# Altium PCB Pleiades_PP.PcbDoc (part 9 of 15) (continued)
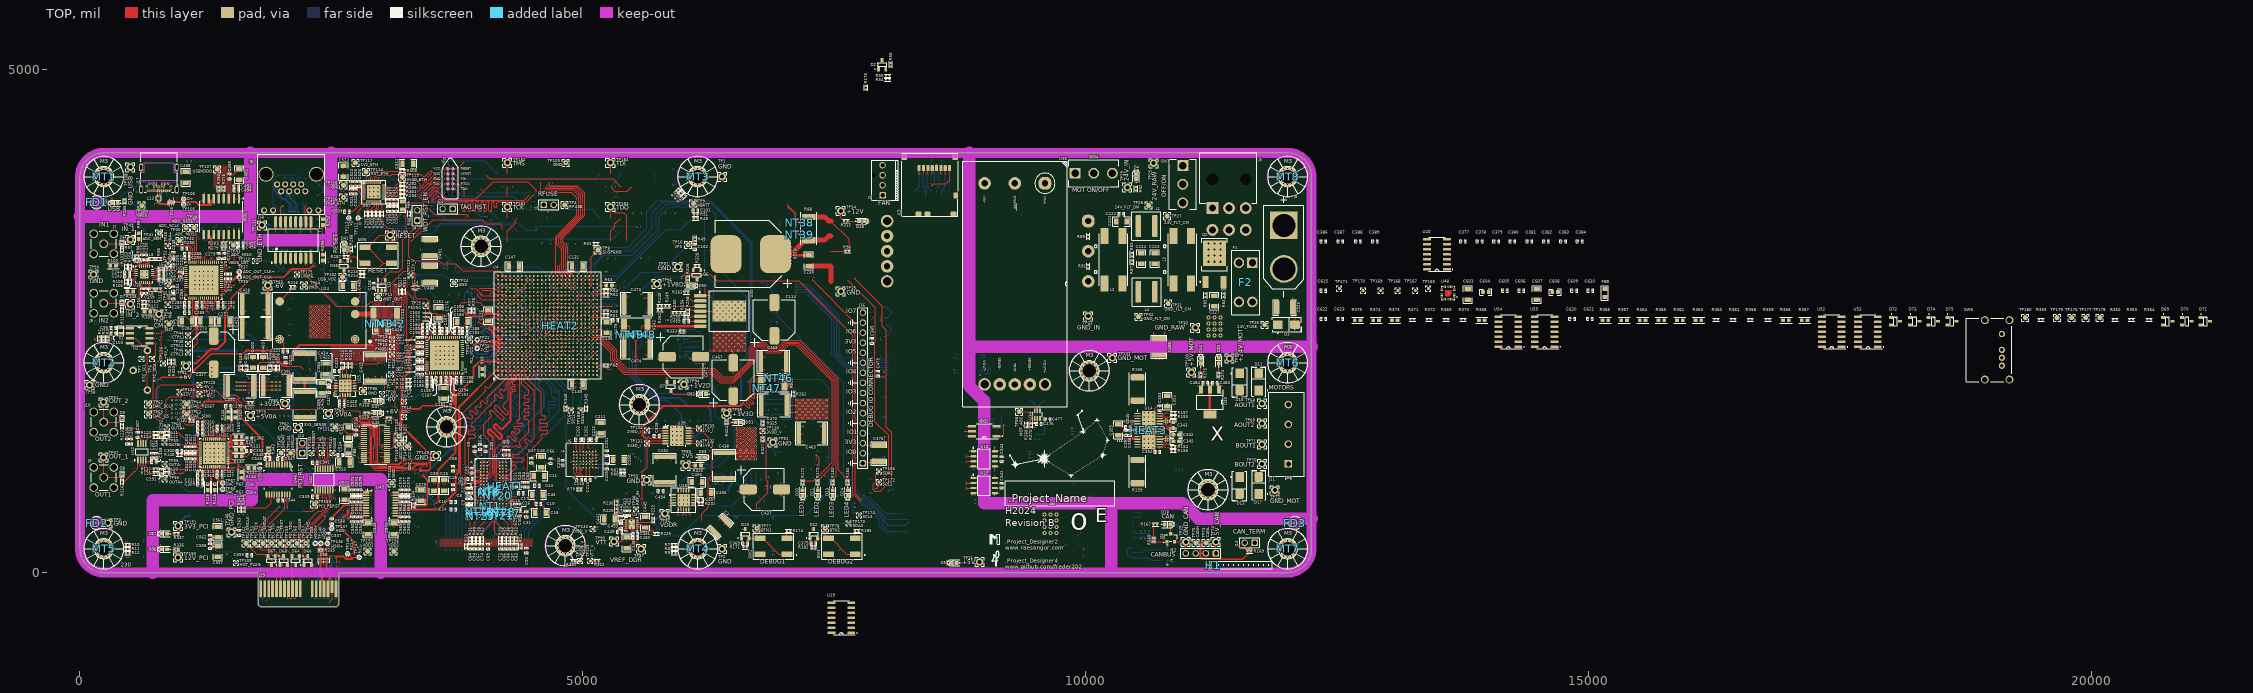
[diagram p0: TOP view]
## Nets (pads, with @x,y where several pads share a name; then routed paths per layer and width w, separated by ;. In a path a pad name is that pad's centre, name@x,y a point inside that pad or via, vN(x,y) a via of type N, cw(c..) or ccw(c..) an arc to the next point about the centre after c; other vN are vias at no path point) (continued)
  TOP w8.89: U4.C18@4236.22,2633.86 4238.02,2633.86 4255.86,2651.7 v1(4256.7,2651.7)
  IN1 w3.09: v1(1228,3155) 1228,3151.33 1222.41,3145.73 1222.41,3143.17 1234.55,3131.03 1234.55,3099.3 1263.66,3070.19 1601.5,3070.19 1907.59,2764.09 1915,2764.09 1921.09,2764.09 ccw(c1921.09,2775.64) 1932.64,2775.64 1932.64,2783.45 cw(c1953.28,2783.45) 1953.28,2804.09 cw(c1953.28,2783.45) 1973.93,2783.45 1973.93,2775.64 ccw(c1985.47,2775.64) 1985.47,2764.09 2010.56,2764.09 2035,2764.09 2036.55,2764.09 ccw(c2036.55,2775.64) 2048.1,2775.64 2048.09,2792.55 cw(c2059.64,2792.55) 2059.64,2804.09 cw(c2059.64,2792.55) 2071.19,2792.55 2071.19,2775.64 ccw(c2082.74,2775.64) 2082.74,2764.09 2140,2764.09 2604.09,2764.09 2614.64,2774.64 2640.36,2774.64 2680.91,2734.09 2863.77,2734.09 2878.05,2719.81 3361.95,2719.81 3507.14,2865 4022.86,2865 4173.77,2714.09 4183.76,2714.09 4199.09,2698.76 4199.09,2688.77 4214.68,2673.18 4224.67,2673.18 4236.55,2661.31 4236.55,2651.9 4244.21,2644.25 4247.43,2644.25 4254.89,2651.7 v1(4256.7,2651.7)
DB10_P: U4.D18 U9.9 | length 3652.5
  TOP w6: v1(1204,3155) 1204,3153.38 1208.32,3149.06 1208.32,3142.21 1220.16,3130.37 U9.9@1220.16,3081.18
  TOP w8.89: U4.D18@4275.59,2633.86 4275.59,2631.47 4284.41,2622.66 4284.41,2620.77 v1(4285,2620.17)
  IN1 w3.09: v1(1204,3155) 1204,3154.33 1213.31,3145.02 1213.31,3139.4 1225.45,3127.26 1225.45,3095.54 1259.9,3061.09 1597.73,3061.09 1750.78,2908.05 1876.95,2781.88 cw(c1868.78,2773.71) 1876.95,2765.55 1874.1,2762.7 ccw(c1882.26,2754.53) 1874.1,2746.37 ccw(c1882.26,2754.53) 1890.43,2746.37 1893.29,2749.23 cw(c1907.22,2735.29) 1907.22,2755 1909.41,2755 1915,2755 1921.09,2755 ccw(c1921.09,2775.64) 1941.74,2775.64 1941.74,2783.45 cw(c1953.28,2783.45) 1953.28,2795 cw(c1953.28,2783.45) 1964.83,2783.45 1964.83,2775.64 ccw(c1985.47,2775.64) 1985.47,2755 2010.56,2755 2607.86,2755 2618.41,2765.55 2636.59,2765.55 2677.14,2725 2860,2725 2874.28,2710.72 3365.72,2710.72 3510.91,2855.91 4019.09,2855.91 4170,2705 4179.99,2705 4190,2694.99 4190,2685 4210.91,2664.09 4220.9,2664.09 4227.46,2657.54 4227.46,2648.13 4240.44,2635.15 4250.28,2635.15 4252.09,2633.34 4252.09,2632.9 4264.82,2620.17 v1(4285,2620.17)
DB12_N: U4.E17 U9.10 | length 3651.6
  TOP w6: U9.10@1200.47,3081.18 1200.47,3119.53 1204.32,3123.38 v1(1204.32,3125)
  TOP w8.89: U4.E17@4314.96,2594.49 v1(4334.65,2614.17)
  IN1 w3.09: v1(1204.32,3125) 1204.32,3123.19 1196.86,3115.73 1196.86,3108.46 1195.18,3106.78 1195.18,3099.3 1239.48,3055 1550,3055 1560,3045 1580,3025 1617.25,2987.75 ccw(c1625.42,2995.91) 1633.58,2987.75 1636.22,2990.38 cw(c1644.38,2982.21) 1652.55,2990.38 cw(c1644.38,2982.21) 1652.55,2974.05 1649.91,2971.42 ccw(c1658.08,2963.25) 1649.91,2955.09 ccw(c1658.08,2963.25) 1666.25,2955.09 1672.52,2961.36 cw(c1680.68,2953.19) 1688.85,2961.36 cw(c1680.68,2953.19) 1688.85,2945.03 1682.58,2938.75 ccw(c1690.74,2930.59) 1682.58,2922.42 1700,2905 1885,2720 2385.82,2720 2401.2,2704.62 3368.24,2704.62 3378.62,2715 3397.14,2715 3522.14,2840 4002.36,2840 4159.99,2682.37 4176.12,2682.37 4200.85,2657.64 4200.85,2643.83 4204.86,2639.82 4227.16,2639.82 4242.18,2624.79 4242.18,2622.08 4260.64,2603.63 4324.1,2603.63 v1(4334.65,2614.17)
DB12_P: U4.F17 U9.11 | length 3651.3
  TOP w6: v1(1180.32,3125) 1180.79,3124.53 U9.11@1180.79,3081.18
  TOP w8.89: U4.F17@4354.33,2594.49 v1(4374.02,2614.17)
  IN1 w3.09: v1(1180.32,3125) 1180.32,3123.19 1187.77,3115.73 1187.77,3112.23 1186.08,3110.55 1186.08,3095.54 1235.72,3045.91 1546.23,3045.91 1608.01,2984.13 1633.57,2958.56 cw(c1628.24,2953.23) 1633.57,2947.89 1632.34,2946.65 ccw(c1637.67,2941.32) 1632.34,2935.98 ccw(c1637.67,2941.32) 1643.01,2935.98 1644.25,2937.22 cw(c1649.58,2931.88) 1654.92,2937.22 1656.02,2936.12 1881.23,2710.91 2382.06,2710.91 2397.44,2695.53 3372.01,2695.53 3382.39,2705.91 3400.91,2705.91 3525.91,2830.91 3998.59,2830.91 4156.23,2673.27 4172.35,2673.27 4191.75,2653.87 4191.75,2640.06 4201.09,2630.72 4223.39,2630.72 4233.08,2621.03 4233.08,2618.32 4256.87,2594.53 4338.41,2594.53 4358.05,2614.17 v1(4374.02,2614.17)
DCI_N: R136.1 U4.D7 U11.18 | length 3925.4
  TOP w4.33: U11.18@1471.81,1180.16 1472.55,1179.42 1493.71,1179.42 v1(1494.45,1178.69)
  TOP w8.89: U4.D7@4275.59,2200.79 v1(4295.28,2220.47)
  IN1 w3.09: v1(1494.45,1178.69) 1502.56,1178.69 1541.34,1217.46 1557.38,1217.46 1589.56,1249.64 1644.64,1249.64 1660,1265 1676.76,1265 1686.85,1254.92 1710,1254.92 1715.63,1260.55 1745.46,1260.55 1834.53,1349.62 1941.76,1349.62 1976.59,1384.45 2230,1384.45 2231.55,1384.45 ccw(c2231.55,1392) 2239.1,1392 2239.09,1394.78 cw(c2246.64,1394.78) 2246.64,1402.32 cw(c2246.64,1394.78) 2254.19,1394.78 2254.19,1392 ccw(c2261.74,1392) 2261.74,1384.45 2340,1384.45 2604.37,1384.45 2617.06,1397.14 2722.06,1397.14 2821.35,1496.43 2901.35,1496.43 2912.19,1507.27 3020.41,1615.49 cw(c3035,1600.89) 3049.6,1615.49 3058.6,1606.49 ccw(c3066.76,1614.65) 3074.93,1606.49 ccw(c3066.76,1614.65) 3074.93,1622.82 3025.08,1672.67 cw(c3039.67,1687.27) 3025.06,1701.84 ; 3025.1,1701.88 cw(c3039.67,1687.27) 3054.27,1701.86 3072.37,1683.77 ccw(c3080.52,1691.94) 3088.69,1683.77 3115.76,1710.84 3262.86,1857.94 3262.86,1887.86 3301.95,1926.95 3331.87,1926.95 3385,1980.08 3385,2195.67 3424.18,2234.86 3430.71,2234.86 3505.85,2310 3730.77,2310 3731.32,2309.45 3907.99,2309.45 3949.18,2350.64 3961.6,2350.64 3968.17,2344.07 3979.02,2344.07 v1(3980,2343.09)
  BOT w4.33: v1(1494.45,1178.69) 1494.71,1178.95 1503.2,1178.95 1512.68,1188.43 1512.68,1236.93 1532.9,1257.16 1548.92,1257.16 1551.46,1259.7 R136.1@1551.46,1285 ; v1(3980,2343.09) 3980,2342.63 3985.9,2336.72 3985.9,2319.13 4014.83,2290.2 4014.83,2276.95 4042.62,2249.16 4194,2249.16 4206.81,2236.35 4300.54,2236.35 4310.3,2226.59 4310.3,2223.01 4307.76,2220.47 v1(4295.28,2220.47)
DCI_P: R133.1 U4.E8 U11.17 | length 3930.3
  TOP w4.33: U11.17@1471.81,1160.47 1506.61,1160.47 1513.57,1167.43 v1(1515.65,1167.43)
  TOP w8.89: U4.E8@4314.96,2240.16 v1(4334.65,2220.47)
  IN1 w3.09: v1(1515.65,1167.43) 1511.19,1171.89 1511.19,1174.45 1545.11,1208.37 1561.15,1208.37 1593.32,1240.55 1648.41,1240.55 1663.77,1255.91 1673,1255.91 1684.36,1244.54 1701.82,1244.54 1706.91,1239.45 1724.37,1239.45 1736.37,1251.45 1749.23,1251.45 1838.3,1340.52 1945.52,1340.52 1980.36,1375.36 2608.14,1375.36 2620.83,1388.05 2725.83,1388.05 2825.11,1487.34 2905.11,1487.34 2918.62,1500.84 3026.84,1609.06 cw(c3035,1600.89) 3043.17,1609.06 3052.17,1600.06 ccw(c3066.76,1614.65) 3081.36,1600.06 ccw(c3066.76,1614.65) 3081.36,1629.25 3031.51,1679.1 cw(c3039.67,1687.27) 3047.84,1695.43 3065.91,1677.36 ccw(c3080.52,1691.94) 3095.12,1677.34 3122.19,1704.41 3271.95,1854.18 3271.95,1884.09 3305.72,1917.86 3335.64,1917.86 3394.09,1976.32 3394.09,2191.9 3427.95,2225.76 3434.47,2225.76 3509.62,2300.91 3727,2300.91 3727.55,2300.36 3911.76,2300.36 3952.95,2341.55 3957.83,2341.55 3972.83,2326.55 3986.85,2326.55 3991.51,2331.2 4000.5,2331.2 v1(4003.22,2333.93)
  BOT w4.33: v1(1515.65,1167.43) 1514.76,1168.32 1514.76,1177.33 1522,1184.57 1522,1233.07 1536.77,1247.84 1548.92,1247.84 1551.46,1245.3 R133.1@1551.46,1220 ; v1(4003.22,2333.93) 4001.32,2333.93 3995.23,2327.83 3995.23,2322.99 4024.15,2294.07 4024.15,2280.82 4046.48,2258.49 4197.86,2258.49 4210.67,2245.68 4304.4,2245.68 4319.62,2230.45 4319.62,2223.01 4322.16,2220.47 v1(4334.65,2220.47)
DD_16_+: ISO2.10 L14.4 | length 2344.3
  TOP w5.51: ISO2.10@1280,3360 1280,3348.5 1288.25,3340.25 1296.52,3340.25 1299.75,3337.03 1299.75,3230 1299.27,3229.52 1299.27,3209.27 v1(1298.03,3208.03) ; v1(3285,2823.63) 3285.27,2823.9 3310.12,2823.9 L14.4@3310.39,2824.17
  IN1 w3.74: v1(1298.03,3208.03) 1321.89,3208.03 1330.12,3216.26 1601.29,3216.26 1861.38,3216.26 2129.27,2948.37 3145.44,2948.37 3262.54,2831.26 3275,2831.26 3282.63,2823.63 v1(3285,2823.63)
DD_16_-: ISO2.11 L14.1 | length 2308.8
  TOP w5.51: v1(1315,3225) 1315,3225.25 1310.25,3230 1310.25,3337.03 1313.48,3340.25 1321.75,3340.25 1330,3348.5 ISO2.11@1330,3360 ; v1(3285,2847.63) 3285.9,2846.73 3309.49,2846.73 L14.1@3310.39,2845.83
  IN1 w3.74: v1(1315,3225) 1327.93,3225 1597.67,3225 1865,3225 2132.89,2957.11 3149.06,2957.11 3266.16,2840 3275,2840 3282.63,2847.63 v1(3285,2847.63)
DDR_PWR_EN: R231.2 U4.AE26 | length 5097.4
  TOP w8.89: U4.AE26@5102.36,2948.82 v1(5122.05,2968.5)
  TOP w10: v1(6189.5,661.64) R231.2@6189.5,684.14
  BOT w8.89: v1(5122.05,2968.5) 5122.05,3067.05 5210,3155 5490,3155 5730,3395 5730,3560 5835,3665 6210,3665 6320,3555 6320,3050 6630.56,2739.44 6630.56,2150.56 6567.78,2087.78 6567.78,1542.78 6505,1480 6505,1210 6345,1050 6170,1050 6125,1005 6125,804.74 6189.5,740.24 v1(6189.5,661.64)
DDR_SW_EN: R223.2 R227.1 U4.AA25 | length 5218.8
  TOP w8.89: U4.AA25@4944.88,2909.45 v1(4964.57,2929.13)
  BOT w8.89: v1(4964.57,2929.13) 5235.43,3200 5470,3200 5690,3420 5690,3580 5795,3685 6260,3685 6670,3275 6670,2050 6581.05,1961.05 6581.05,1578.95 6615,1545 6670,1545 6820,1395 6820,925 6845,900 6845,805 6774.4,734.4 6772.09,734.4 R227.1@6767.5,729.81
  BOT w10: R223.2@6675,843.31 6675,822.31 R227.1@6767.5,729.81
DDR_VTT_EN: R225.1 U4.AE25 | length 5224.8
  TOP w8.89: U4.AE25@5102.36,2909.45 v1(5122.05,2929.13)
  TOP w10: R225.1@5750.12,385.77 v1(5750.12,408.27)
  BOT w8.89: v1(5122.05,2929.13) 5144.97,2952.06 5337.06,2952.06 5760,3375 5760,3535.76 5859.24,3635 6165,3635 6210,3590 6210,2970 6300,2880 6300,2738.72 6265,2703.72 6265,1870 6315,1820 6315,1560 6435,1440 6435,1230 6280,1075 6152,1075 5892,815 5860,815 5760,715 5760,418.15 v1(5750.12,408.27)
DEBUG_LED_1: R172.1 U4.AF9 | length 4145
  TOP w4.33: U4.AF9@5141.73,2279.53 5180.47,2279.53 5275,2185 5275,2105 5410.1,1969.9 6280.1,1969.9 6365.1,1884.9 6500,1884.9 6715.1,2100 6715.1,2210.1 6750,2245 6770,2245 6830,2185 6970,2185 7047.5,2262.5 7117.5,2262.5 7480,1900 7480,1095 7297.5,912.5 R172.1@7185,912.5
DEBUG_LED_2: R173.1 U4.AD11 | length 4163.4
  TOP w4.33: U4.AD11@5062.99,2358.27 5084.34,2336.92 5153.08,2336.92 5296.21,2193.79 5296.21,2113.79 5418.89,1991.11 6288.89,1991.11 6373.89,1906.11 6500,1906.11 6693.89,2100 6693.89,2218.89 6735,2260 6785,2260 6845,2200 6955,2200 7032.5,2277.5 7132.5,2277.5 7501.21,1908.79 7501.21,1078.71 R173.1@7335,912.5
DEBUG_LED_3: R183.1 U4.AE11 | length 4095.3
  TOP w4.33: U4.AE11@5102.36,2358.27 5116.38,2344.25 5174.25,2344.25 5316.36,2202.13 5316.36,2122.13 5427.24,2011.26 6297.24,2011.26 6382.24,1926.26 6500,1926.26 6673.74,2100 6673.74,2227.24 6720.75,2274.25 6799.25,2274.25 6859.25,2214.25 6940.75,2214.25 7018.25,2291.75 7146.75,2291.75 7521.36,1917.13 7521.36,961.02 7485,924.66 R183.1@7485,912.5
DEBUG_LED_4: R184.1 U4.AF11 | length 4107.6
  TOP w4.33: U4.AF11@5141.73,2358.27 5186.73,2358.27 5335.1,2209.9 5335.1,2129.9 5435,2030 6305,2030 6390,1945 6500,1945 6655,2100 6655,2235 6710,2290 6810,2290 6870,2230 6930,2230 7010,2310 7155,2310 7540.1,1924.9 7540.1,1019.56 7635,924.66 R184.1@7635,912.5
DECAY_13: C349.1 R165.1 R166.1 U14.5 | length 234.7
  TOP w10: v1(10460,1480) 10461.02,1478.98 U14.5@10514.76,1478.98
  BOT w10: v1(10460,1480) 10460.38,1480.38 10478.62,1480.38 10493.5,1495.27 10493.5,1495.64 10500,1502.14 R165.1@10500,1502.68 10500.09,1502.59 C349.1@10540.91,1502.59 ; R166.1@10538.5,1575 10559,1554.5 10559,1520.5 10541.09,1502.59 C349.1@10540.91,1502.59 ; C349.1@10541,1502.5 C349.1@10540.91,1502.59
DIR_13: U14.3 U16.7 | length 1981.5
  IN1 w10: 8455,1175 8692.5,1412.5 8962.54,1412.5 9044.17,1494.13 10243.75,1494.13 10279.78,1530.16 10289.37,1530.16
DIR_ISO: U4.U7 U16.2 | length 3969.2
  TOP w5: v1(8810,1145) 8820,1155 U16.2@8883.7,1155
  TOP w8.89: U4.U7@4787.4,2200.79 v1(4807.09,2220.47)
  IN1 w5: v1(4807.09,2220.47) 4852.56,2175 4920,2175 5095,2000 5680,2000 6185,1495 6493.23,1495 6508.23,1510 6675,1510 6700,1485 6790,1485 7230,1045 v1(7315,1045)
  IN2 w5: v1(7315,1045) 8030.32,1045 8130,1144.69
DQ0: U1.E3 U4.H3 | length 1700
  TOP w8.89: 4173.23,937.01 4188.98,952.76 4246.06,952.76 4320.99,1027.69 4330.69,1037.39 ccw(c4318,1050.08) 4318,1068.02 4308.36,1068.02 cw(c4308.36,1085.97) 4308.36,1103.91 4397.18,1103.91 ccw(c4397.18,1121.86) 4397.18,1139.8 4312.3,1139.81 cw(c4312.3,1157.75) 4312.3,1175.7 4350.98,1175.7 ccw(c4350.98,1193.64) 4363.67,1180.95 4410.97,1228.25 4438.58,1255.85 4441.72,1259 ccw(c4429.74,1270.98) 4441.72,1282.96 4427.22,1297.46 cw(c4439.2,1309.45) 4427.22,1321.43 cw(c4439.2,1309.45) 4451.18,1321.43 4465.68,1306.93 ccw(c4477.67,1318.91) 4489.65,1306.93 4516.5,1333.78 4516.5,1394.58 4516.5,1801.61 4416.77,1901.34 4416.77,2027 U4.H3@4433.07,2043.31
DQ1: U1.F7 U4.H1 | length 1700
  TOP w8.89: 4204.72,937.01 4220.04,921.69 4274.24,921.69 4274.36,921.56 4287.16,921.56 4287.29,921.69 4353.6,921.69 4450,1018.09 4450,1187.88 4563.93,1301.81 4588.5,1326.38 4588.5,1360.09 cw(c4606.45,1360.09) 4606.45,1378.04 4635.14,1378.04 ccw(c4635.14,1395.98) 4635.14,1413.93 4582.8,1413.93 cw(c4582.8,1431.87) 4582.8,1449.82 4635.14,1449.82 ccw(c4635.14,1467.76) 4635.14,1485.71 4582.8,1485.71 cw(c4582.8,1503.65) 4582.8,1521.6 4610.36,1521.6 ccw(c4610.36,1539.54) 4610.36,1557.49 4606.45,1557.49 cw(c4606.45,1575.43) 4588.5,1575.43 4588.5,1765.18 4588.5,1785.88 4433.07,1941.31 U4.H1@4433.07,1964.57
DQ2: U1.F2 U4.G2 | length 1700
  TOP w8.89: 4173.23,874.02 4171.92,875.33 4164.93,875.33 4130.14,910.12 4130.14,1225.14 4205.99,1300.99 4235.8,1300.99 4248.07,1300.99 ccw(c4248.07,1315.43) 4258.28,1325.65 4251.08,1332.85 cw(c4261.29,1343.06) 4251.08,1353.28 cw(c4261.29,1343.06) 4271.51,1353.28 4309.9,1314.88 ccw(c4320.12,1325.09) 4330.33,1314.88 ccw(c4320.12,1325.09) 4330.33,1335.31 4291.93,1373.71 cw(c4302.15,1383.92) 4291.93,1394.14 cw(c4302.15,1383.92) 4312.36,1394.14 4327.58,1378.92 ccw(c4337.79,1389.13) 4348.01,1378.92 4361.77,1392.68 4363.24,1394.15 4370.63,1401.55 4370.63,1413.04 ccw(c4356.19,1413.04) 4356.19,1427.49 4327.6,1427.49 cw(c4327.6,1441.93) 4327.6,1456.38 4394.85,1456.38 ccw(c4394.85,1470.82) 4394.85,1485.27 4356.19,1485.27 cw(c4356.19,1499.71) 4356.19,1514.16 ccw(c4356.19,1528.6) 4370.63,1528.6 4370.63,1634.68 4370.63,1980.87 U4.G2@4393.7,2003.94
DQ3: U1.F8 U4.G1 | length 1700
  TOP w8.89: 4204.72,874.02 4188.98,889.76 4188.98,890 4167.08,890 4142.04,915.04 4142.04,1172.88 4219.16,1250 4265.52,1250 4317.34,1250 4325.22,1257.88 cw(c4335.43,1247.66) 4345.65,1257.88 4355.92,1247.6 ccw(c4366.14,1257.82) 4376.35,1247.6 ccw(c4366.14,1257.82) 4376.35,1268.03 4366.08,1278.31 cw(c4376.29,1288.52) 4366.08,1298.73 4460,1392.66 4460,1430.97 4460,1503.8 4460,1508.25 ccw(c4443.05,1508.25) 4443.05,1525.19 4431.54,1525.19 cw(c4431.54,1542.14) 4431.54,1559.08 4450.57,1559.08 ccw(c4450.57,1576.03) 4450.57,1592.97 4431.54,1592.97 cw(c4431.54,1609.92) 4431.54,1626.86 4450.57,1626.86 ccw(c4450.57,1643.81) 4450.57,1660.75 4431.54,1660.75 cw(c4431.54,1677.7) 4431.54,1694.64 4450.57,1694.64 ccw(c4450.57,1711.59) 4450.57,1728.53 4431.54,1728.53 cw(c4431.54,1745.48) 4431.54,1762.42 4443.05,1762.42 ccw(c4443.05,1779.37) 4460,1779.37 4460,1805.4 4421.59,1843.81 4393.7,1871.7 U4.G1@4393.7,1964.57
DQ4: U1.H3 U4.D3 | length 1700.7
  TOP w8.89: U1.H3@4047.24,874.02 4031.5,858.27 3969.49,858.27 3968.79,857.57 3955.17,857.57 3954.47,858.27 3831.73,858.27 3787.05,902.95 3787.05,1562.26 4027.31,1802.52 4030.45,1805.66 ccw(c4022.01,1814.11) 4030.45,1822.55 4026.02,1826.99 cw(c4034.46,1835.43) 4026.02,1843.88 cw(c4034.46,1835.43) 4042.91,1843.88 4047.34,1839.45 ccw(c4055.79,1847.89) 4064.24,1839.45 4115.82,1891.03 4175,1950.21 4175,1975 4187.63,1987.63 4207.22,1987.63 4215,1995.42 4215,2015 4223.62,2023.62 4259.22,2023.62 4271.18,2035.58 4271.18,2036.51 4275.59,2040.92 U4.D3@4275.59,2043.31
DQ5: U1.H8 U4.D1 | length 1700
  TOP w8.89: 4015.75,905.51 4000.24,890 3969.25,890 3968.79,890.46 3955.17,890.46 3954.71,890 3855,890 3831.73,913.27 3831.73,1504.31 3831.73,1520.71 3845.71,1534.69 cw(c3858.4,1522) 3871.09,1534.69 3873.39,1532.39 ccw(c3886.08,1545.07) 3898.77,1532.39 ccw(c3886.08,1545.08) 3898.77,1557.76 3878.94,1577.59 cw(c3891.63,1590.28) 3878.94,1602.97 cw(c3891.63,1590.28) 3904.32,1602.97 3924.15,1583.14 ccw(c3936.83,1595.83) 3949.52,1583.14 ccw(c3936.83,1595.83) 3949.52,1608.52 3933.82,1624.22 cw(c3946.51,1636.91) 3933.82,1649.6 cw(c3946.51,1636.91) 3959.2,1649.6 3959.91,1648.89 ccw(c3972.6,1661.58) 3985.29,1648.89 ccw(c3972.6,1661.58) 3985.29,1674.27 cw(c3997.98,1686.96) 3985.29,1699.65 cw(c3997.98,1686.96) 4010.67,1699.65 4023.36,1686.96 ccw(c4036.05,1699.64) 4048.74,1686.96 ccw(c4036.05,1699.65) 4048.74,1712.33 cw(c4061.43,1725.02) 4048.74,1737.71 4072.34,1761.31 U4.D1@4275.59,1964.57
DQ6: U1.G2 U4.E2 | length 1700
  TOP w8.89: 4015.75,937.01 4000,952.76 3896.34,952.76 3867.72,981.37 3867.72,1278.91 3867.72,1319.24 cw(c3885.67,1319.24) 3885.67,1337.19 3915.07,1337.19 ccw(c3915.07,1355.13) 3915.07,1373.08 3872.36,1373.08 cw(c3872.36,1391.02) 3872.36,1408.97 3905.68,1408.97 ccw(c3905.68,1426.92) 3905.68,1444.86 3903.41,1444.86 cw(c3903.41,1462.81) 3890.72,1475.49 3901.1,1485.88 4121.02,1705.79 4124.16,1708.94 ccw(c4111.47,1721.63) 4124.16,1734.32 4124.03,1734.44 cw(c4136.72,1747.13) 4124.03,1759.82 cw(c4136.72,1747.13) 4149.41,1759.82 4171.31,1737.92 ccw(c4184,1750.61) 4196.69,1737.92 ccw(c4184,1750.61) 4196.69,1763.3 4174.79,1785.2 cw(c4187.48,1797.89) 4174.79,1810.58 cw(c4187.48,1797.89) 4200.17,1810.58 4200.29,1810.45 ccw(c4212.98,1823.14) 4225.67,1810.45 4236.22,1821 4236.22,1876.6 4236.22,1885.83 4294.43,1944.04 4294.43,1983.41 U4.E2@4314.96,2003.94
DQ7: U1.H7 U4.E1 | length 1700
  TOP w8.89: 4047.24,968.5 4079.44,1000.7 4079.44,1040.43 4079.44,1300.56 4015.52,1364.48 4015.52,1473.24 4084.91,1542.63 4088.05,1545.77 ccw(c4076.07,1557.75) 4088.05,1569.73 4075.57,1582.21 cw(c4087.56,1594.19) 4075.57,1606.18 cw(c4087.56,1594.19) 4099.54,1606.18 4187.19,1518.52 ccw(c4199.17,1530.51) 4211.16,1518.52 ccw(c4199.17,1530.51) 4211.16,1542.49 4123.5,1630.14 cw(c4135.48,1642.12) 4123.5,1654.1 cw(c4135.48,1642.12) 4147.47,1654.1 4228.55,1573.02 ccw(c4240.53,1585) 4252.52,1573.02 ccw(c4240.53,1585) 4252.52,1596.98 4207.87,1641.63 cw(c4219.86,1653.61) 4207.87,1665.59 4231.09,1688.81 4260,1717.72 4260,1880.76 4314.96,1935.72 U4.E1@4314.96,1964.57
DQ8: U1.D7 U4.J2 | length 1575.7
  TOP w8.89: 4047.24,1094.49 4062.4,1109.64 4062.4,1124.34 v1(4062.99,1124.94) ; U4.J2@4472.44,2003.94 v1(4492.13,1984.25)
  BOT w8.89: v1(4062.99,1124.94) 4062.99,1575.64 4072.57,1585.22 4096.14,1608.79 cw(c4106.36,1598.57) 4116.57,1608.79 4119.73,1605.63 ccw(c4129.94,1615.84) 4140.16,1605.63 ccw(c4129.94,1615.84) 4140.16,1626.06 4125.86,1640.35 cw(c4136.08,1650.57) 4125.86,1660.78 cw(c4136.08,1650.57) 4146.29,1660.78 4160.59,1646.49 ccw(c4170.8,1656.7) 4181.02,1646.49 ccw(c4170.8,1656.7) 4181.02,1666.92 4166.72,1681.21 cw(c4176.94,1691.42) 4166.72,1701.64 cw(c4176.94,1691.42) 4187.15,1701.64 4201.44,1687.34 ccw(c4211.66,1697.56) 4221.87,1687.34 ccw(c4211.66,1697.56) 4221.87,1707.77 4207.58,1722.07 cw(c4217.79,1732.28) 4207.58,1742.49 cw(c4217.79,1732.28) 4228.01,1742.5 4242.3,1728.2 ccw(c4252.52,1738.42) 4262.73,1728.2 ccw(c4252.52,1738.42) 4262.73,1748.63 4248.44,1762.92 cw(c4258.65,1773.14) 4248.44,1783.35 cw(c4258.65,1773.14) 4268.86,1783.35 4283.16,1769.06 ccw(c4293.37,1779.27) 4303.59,1769.06 ccw(c4293.37,1779.27) 4303.59,1789.49 4289.29,1803.78 cw(c4299.51,1814) 4289.29,1824.21 cw(c4299.51,1814) 4309.72,1824.21 4310.92,1823.01 ccw(c4321.13,1833.23) 4331.35,1823.01 ccw(c4321.13,1833.23) 4331.35,1843.44 4331.07,1843.72 cw(c4341.29,1853.93) 4331.07,1864.15 cw(c4341.29,1853.93) 4351.5,1864.15 4361.72,1853.93 ccw(c4371.93,1864.14) 4382.14,1853.93 ccw(c4371.93,1864.14) 4382.14,1874.36 cw(c4392.36,1884.57) 4382.14,1894.79 4413.61,1926.25 4415.79,1928.44 4459.57,1928.44 4469.2,1938.07 4469.2,1957.16 4466.4,1959.96 4466.4,1979.04 4471.61,1984.25 v1(4492.13,1984.25)
DQ9: U1.C3 U4.J1 | length 1575.7
  TOP w8.89: 4015.75,1094.49 v1(4031.5,1110.24) ; v1(4452.76,1944.88) U4.J1@4472.44,1964.57
  BOT w8.89: v1(4031.5,1110.24) 4031.5,1275.7 4031.5,1280.15 ccw(c4014.55,1280.15) 4014.55,1297.09 3994.11,1297.09 cw(c3994.11,1314.04) 3994.11,1330.98 4014.55,1330.98 ccw(c4014.55,1347.93) 4031.5,1347.93 4031.5,1531.86 4031.5,1631.24 4031.5,1657.89 4039.28,1665.68 cw(c4051.27,1653.7) 4063.25,1665.68 4067.57,1661.36 ccw(c4079.55,1673.34) 4091.53,1661.36 ccw(c4079.55,1673.34) 4091.53,1685.33 4072.72,1704.14 cw(c4084.7,1716.12) 4072.72,1728.1 cw(c4084.7,1716.12) 4096.68,1728.1 4115.5,1709.29 ccw(c4127.48,1721.27) 4139.46,1709.29 ccw(c4127.48,1721.27) 4139.46,1733.25 4120.65,1752.07 cw(c4132.63,1764.05) 4120.65,1776.03 cw(c4132.63,1764.05) 4144.61,1776.03 4163.42,1757.22 ccw(c4175.41,1769.2) 4187.39,1757.22 ccw(c4175.41,1769.2) 4187.39,1781.18 4168.57,1800 cw(c4180.56,1811.98) 4168.57,1823.96 cw(c4180.56,1811.98) 4192.54,1823.96 4196.86,1819.64 ccw(c4208.84,1831.62) 4220.82,1819.64 ccw(c4208.84,1831.62) 4220.82,1843.61 4219.01,1845.41 cw(c4231,1857.4) 4219.01,1869.38 cw(c4231,1857.4) 4242.98,1869.38 4254.96,1857.39 ccw(c4266.94,1869.38) 4278.93,1857.39 ccw(c4266.94,1869.38) 4278.93,1881.36 cw(c4290.91,1893.34) 4278.92,1905.32 4298.27,1924.67 4318.48,1944.88 v1(4452.76,1944.88)
DQ10: U1.C8 U4.K3 | length 1575.7
  TOP w8.89: 4047.24,1031.5 v1(4062.99,1047.24) ; U4.K3@4511.81,2043.31 v1(4531.5,2062.99)
  BOT w8.89: v1(4062.99,1047.24) 4063.59,1047.84 4078.08,1047.84 4130.14,1099.91 4130.14,1364.63 4130.14,1402.38 4133.45,1405.68 cw(c4146.14,1392.99) 4158.83,1405.68 4162.6,1401.91 ccw(c4175.29,1414.6) 4187.97,1401.91 ccw(c4175.29,1414.6) 4187.97,1427.29 4162.04,1453.22 cw(c4174.73,1465.91) 4162.04,1478.6 cw(c4174.73,1465.91) 4187.42,1478.6 4213.35,1452.67 ccw(c4226.04,1465.36) 4238.73,1452.67 ccw(c4226.04,1465.36) 4238.73,1478.05 4213.98,1502.8 cw(c4226.67,1515.49) 4213.98,1528.18 cw(c4226.67,1515.49) 4239.36,1528.18 4247.65,1519.88 ccw(c4260.34,1532.57) 4273.03,1519.88 ccw(c4260.34,1532.57) 4273.03,1545.26 cw(c4285.72,1557.95) 4273.03,1570.64 cw(c4285.72,1557.95) 4298.41,1570.64 4311.1,1557.95 ccw(c4323.79,1570.64) 4336.48,1557.95 ccw(c4323.79,1570.64) 4336.48,1583.33 cw(c4349.16,1596.02) 4336.48,1608.71 4515,1787.23 4515,1815.09 4515,2033.01 4531.5,2049.5 v1(4531.5,2062.99)
DQ11: U1.C2 U4.K1 | length 1575.9
  TOP w8.89: U1.C2@4015.75,1031.5 v1(4031.5,1047.24) ; v1(4492.13,1944.88) U4.K1@4511.81,1964.57
  BOT w8.89: v1(4031.5,1047.24) 4032.09,1047.84 4040.33,1047.84 4056.18,1063.69 4073.69,1063.69 4100,1090 4100,1500 4217.08,1617.08 4244.19,1644.19 cw(c4256.17,1632.21) 4268.15,1644.19 4289.94,1622.39 ccw(c4301.93,1634.38) 4313.91,1622.39 ccw(c4301.93,1634.38) 4313.91,1646.36 4274.85,1685.42 cw(c4286.83,1697.4) 4274.85,1709.38 cw(c4286.83,1697.4) 4298.81,1709.38 4337.87,1670.32 ccw(c4349.86,1682.3) 4361.84,1670.32 ccw(c4349.86,1682.3) 4361.84,1694.29 4322.78,1733.35 cw(c4334.76,1745.33) 4322.78,1757.31 cw(c4334.76,1745.33) 4346.74,1757.31 4368.48,1735.57 ccw(c4380.46,1747.55) 4392.45,1735.57 ccw(c4380.46,1747.55) 4392.45,1759.53 4375.99,1775.99 cw(c4387.97,1787.97) 4375.99,1799.96 cw(c4387.97,1787.97) 4399.95,1799.96 4411.94,1787.97 ccw(c4423.92,1799.95) 4435.9,1787.97 ccw(c4423.92,1799.95) 4435.9,1811.94 cw(c4447.88,1823.92) 4435.9,1835.9 4470.49,1870.49 4492.13,1892.13 v1(4492.13,1944.88)
DQ12: U1.A7 U4.M3 | length 1575.7
  TOP w8.89: v1(4157.48,1110.24) U1.A7@4173.23,1094.49 ; U4.M3@4590.55,2043.31 v1(4610.24,2062.99)
  BOT w8.89: v1(4157.48,1110.24) 4157.48,1322.48 4290.28,1455.28 4317.39,1482.39 cw(c4329.37,1470.4) 4341.35,1482.39 4356.16,1467.58 ccw(c4368.14,1479.56) 4380.13,1467.58 ccw(c4368.14,1479.56) 4380.13,1491.54 4350.23,1521.43 cw(c4362.21,1533.42) 4350.23,1545.4 cw(c4362.21,1533.42) 4374.19,1545.4 4404.09,1515.5 ccw(c4416.07,1527.49) 4428.05,1515.5 ccw(c4416.07,1527.49) 4428.05,1539.47 4398.16,1569.36 cw(c4410.14,1581.34) 4398.16,1593.33 cw(c4410.14,1581.34) 4422.12,1593.33 4442.4,1573.05 ccw(c4454.39,1585.03) 4466.37,1573.05 ccw(c4454.39,1585.03) 4466.37,1597.01 4449.19,1614.19 cw(c4461.17,1626.17) 4449.19,1638.15 cw(c4461.17,1626.17) 4473.15,1638.15 4485.14,1626.17 ccw(c4497.12,1638.15) 4509.1,1626.17 ccw(c4497.12,1638.15) 4509.1,1650.13 cw(c4521.08,1662.12) 4509.1,1674.1 4526.43,1691.43 4531.5,1696.5 4531.5,2006.09 4588.39,2062.99 v1(4610.24,2062.99)
DQ13: U1.A2 U4.M1 | length 1575.7
  TOP w8.89: v1(4188.98,1078.74) 4204.72,1062.99 ; v1(4590.55,1936.73) U4.M1@4590.55,1964.57
  BOT w8.89: v1(4188.98,1078.74) 4203.94,1078.74 4242.19,1116.99 4242.19,1142.19 4431.74,1331.74 4434.88,1334.88 ccw(c4424.67,1345.1) 4434.88,1355.31 4415.51,1374.68 cw(c4425.72,1384.9) 4415.51,1395.11 cw(c4425.72,1384.9) 4435.94,1395.11 4472.9,1358.14 ccw(c4483.12,1368.36) 4493.33,1358.14 ccw(c4483.12,1368.36) 4493.33,1378.57 4470.52,1401.38 cw(c4480.74,1411.6) 4470.52,1421.81 cw(c4480.74,1411.6) 4490.95,1421.81 4496.17,1416.6 ccw(c4506.38,1426.81) 4516.6,1416.6 4654.81,1554.81 4664.45,1564.45 4668.89,1568.89 ccw(c4644.1,1583.79) 4665.92,1602.78 cw(c4665.92,1619.73) 4665.92,1636.67 4712.03,1636.67 ccw(c4712.03,1653.62) 4712.03,1670.56 4665.92,1670.56 cw(c4665.92,1687.51) 4665.92,1704.45 4712.03,1704.45 ccw(c4712.03,1721.4) 4712.03,1738.34 4705.92,1738.34 cw(c4705.92,1755.29) 4688.98,1755.29 4688.98,1799.83 4688.98,1838.3 v1(4590.55,1936.73)
DQ14: U1.B8 U4.N2 | length 1575.7
  TOP w8.89: 4173.23,1000 v1(4188.98,1015.75) ; U4.N2@4629.92,2003.94 v1(4649.61,2023.62)
  BOT w8.89: v1(4188.98,1015.75) 4188.98,992.49 4220.61,960.85 4251.84,960.85 4296.44,1005.46 4296.44,1056.44 4320.09,1080.09 4342.76,1080.09 4344.32,1081.65 4362.24,1099.56 cw(c4369.62,1092.18) 4377.01,1099.56 4385.73,1090.85 ccw(c4393.11,1098.23) 4400.5,1090.85 ccw(c4393.11,1098.23) 4400.5,1105.62 4391.78,1114.33 cw(c4399.17,1121.72) 4391.78,1129.11 4669.64,1406.96 4815,1552.32 4815,1816.69 4649.61,1982.09 v1(4649.61,2023.62)